# Altium PCB CFD_V1.03.PcbDoc (part 10 of 10)
Units mm, origin at the board's own origin, x right, y up, seen from the top; angles counter-clockwise.
Board outline 96.25 x 362.25 mm, 6 copper layers (Top, L2, L3, L4, L5, Bot), stack 1.496 mm thick; 1353 components, 761 nets, 4147 pads, 1354 vias.
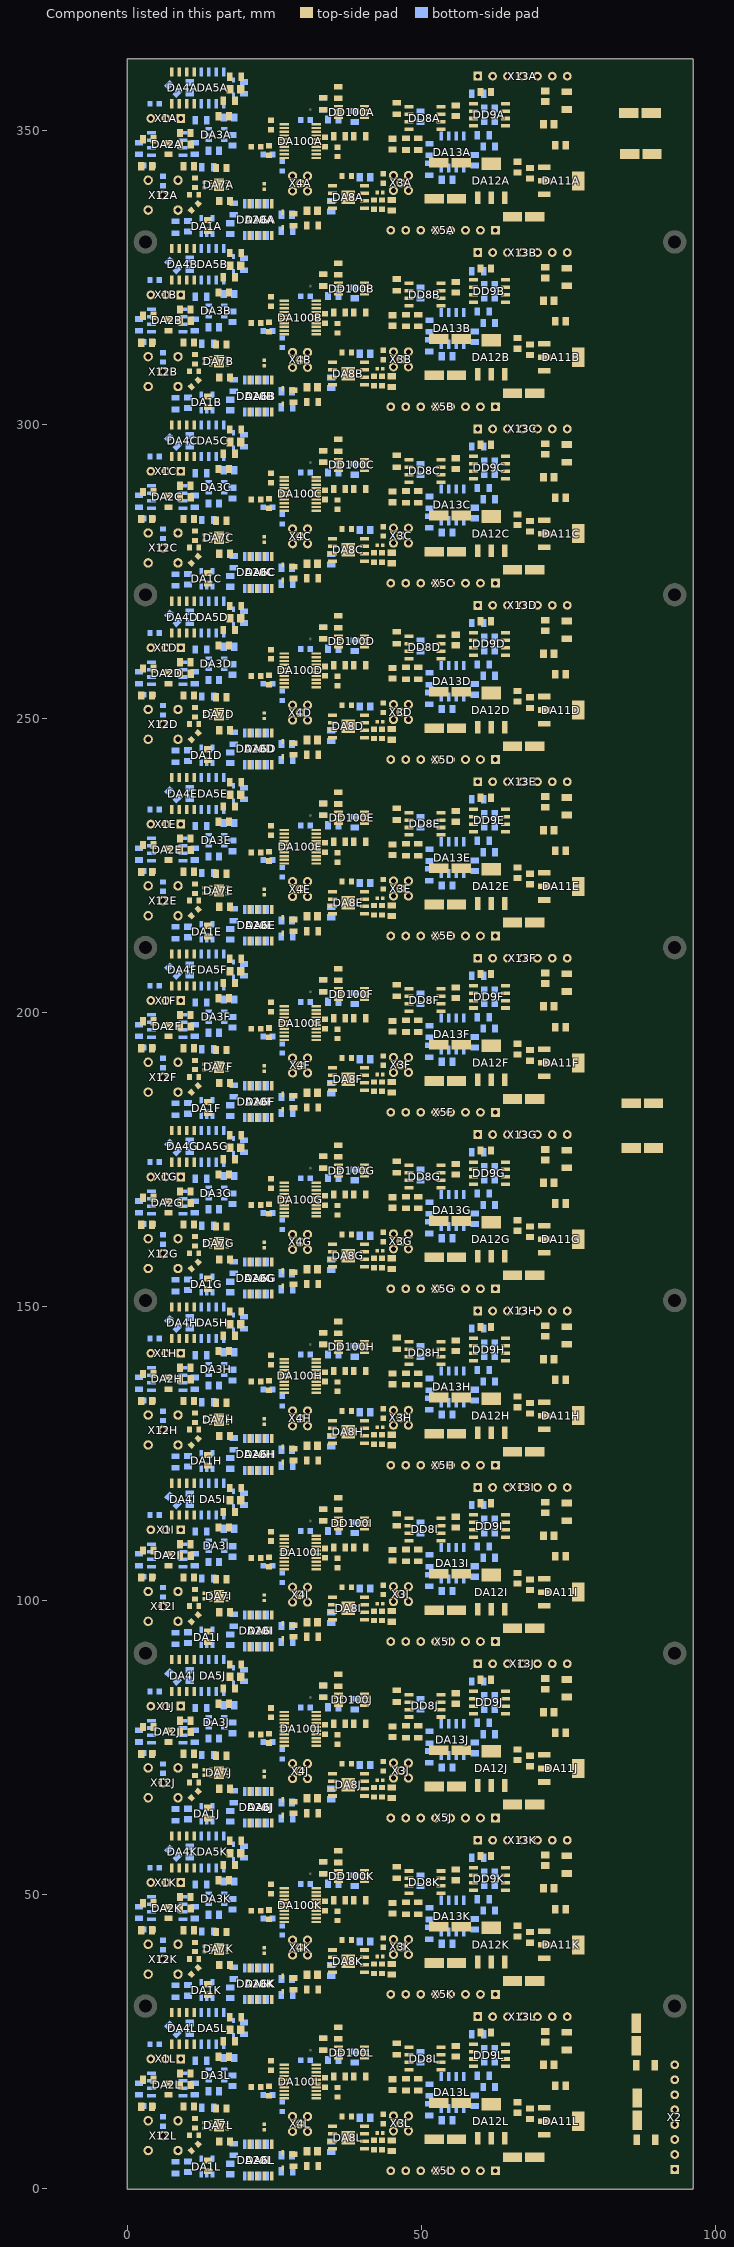
[diagram p14: the components of this part, seen from the top]

## Other copper (continued)
L5:
  pour cut-out: 33.902,309.807 33.902,308.508 35.999,308.508 36.212,308.294 36.212,307.37 36.226,307.37 36.901,306.694 39.789,306.694 40.796,305.688 42.315,305.688 42.567,305.94 42.567,307.06 42.822,307.315 43.773,307.315 43.969,307.511 43.969,308.545 43.62,308.893 43.061,308.893 42.86,309.094 42.86,309.722 42.776,309.807
  pour cut-out: 33.902,279.807 33.902,278.508 35.998,278.508 36.212,278.295 36.212,277.37 36.225,277.37 36.901,276.695 39.789,276.695 40.795,275.688 42.315,275.688 42.567,275.94 42.567,277.06 42.822,277.316 43.773,277.316 43.968,277.512 43.968,278.545 43.62,278.894 43.061,278.894 42.86,279.095 42.86,279.723 42.775,279.808
  pour cut-out: 33.902,249.807 33.902,248.508 35.998,248.508 36.212,248.295 36.212,247.37 36.225,247.37 36.901,246.695 39.789,246.695 40.795,245.688 42.315,245.688 42.567,245.94 42.567,247.06 42.822,247.316 43.773,247.316 43.968,247.512 43.968,248.545 43.62,248.894 43.061,248.894 42.86,249.095 42.86,249.723 42.775,249.808
  pour cut-out: 33.902,219.807 33.902,218.508 35.998,218.508 36.212,218.295 36.212,217.37 36.225,217.37 36.901,216.695 39.789,216.695 40.795,215.688 42.315,215.688 42.567,215.94 42.567,217.06 42.822,217.316 43.773,217.316 43.968,217.512 43.968,218.545 43.62,218.894 43.061,218.894 42.86,219.095 42.86,219.723 42.775,219.808
  pour cut-out: 33.902,189.807 33.902,188.508 35.999,188.508 36.212,188.294 36.212,187.37 36.226,187.37 36.901,186.694 39.789,186.694 40.796,185.688 42.315,185.688 42.567,185.94 42.567,187.06 42.822,187.315 43.773,187.315 43.969,187.511 43.969,188.545 43.62,188.893 43.061,188.893 42.86,189.094 42.86,189.722 42.776,189.807
  pour cut-out: 33.902,159.807 33.902,158.508 35.998,158.508 36.212,158.295 36.212,157.37 36.225,157.37 36.901,156.695 39.789,156.695 40.795,155.688 42.315,155.688 42.567,155.94 42.567,157.06 42.822,157.316 43.773,157.316 43.968,157.512 43.968,158.545 43.62,158.894 43.061,158.894 42.86,159.095 42.86,159.723 42.775,159.808
  pour cut-out: 33.902,129.807 33.902,128.508 35.999,128.508 36.212,128.294 36.212,127.37 36.226,127.37 36.901,126.694 39.789,126.694 40.796,125.688 42.315,125.688 42.567,125.94 42.567,127.06 42.822,127.315 43.773,127.315 43.969,127.511 43.969,128.545 43.62,128.893 43.061,128.893 42.86,129.094 42.86,129.722 42.776,129.807
  pour cut-out: 33.902,99.807 33.902,98.508 35.998,98.508 36.212,98.295 36.212,97.37 36.225,97.37 36.901,96.695 39.789,96.695 40.795,95.688 42.315,95.688 42.567,95.94 42.567,97.06 42.822,97.316 43.773,97.316 43.968,97.512 43.968,98.545 43.62,98.894 43.061,98.894 42.86,99.095 42.86,99.723 42.775,99.808
  pour cut-out: 33.902,69.807 33.902,68.508 35.998,68.508 36.212,68.295 36.212,67.37 36.225,67.37 36.901,66.695 39.789,66.695 40.795,65.688 42.315,65.688 42.567,65.94 42.567,67.06 42.822,67.316 43.773,67.316 43.968,67.512 43.968,68.545 43.62,68.894 43.061,68.894 42.86,69.095 42.86,69.723 42.775,69.808
  pour cut-out: 33.902,39.807 33.902,38.508 35.998,38.508 36.212,38.295 36.212,37.37 36.225,37.37 36.901,36.695 39.789,36.695 40.795,35.688 42.315,35.688 42.567,35.94 42.567,37.06 42.822,37.316 43.773,37.316 43.968,37.512 43.968,38.545 43.62,38.894 43.061,38.894 42.86,39.095 42.86,39.723 42.775,39.808
  pour cut-out: 33.902,9.807 33.902,8.508 35.999,8.508 36.212,8.294 36.212,7.37 36.226,7.37 36.901,6.694 39.789,6.694 40.796,5.688 42.315,5.688 42.567,5.94 42.567,7.06 42.822,7.315 43.773,7.315 43.969,7.511 43.969,8.545 43.62,8.893 43.061,8.893 42.86,9.094 42.86,9.722 42.776,9.807
  pour cut-out: 33.902,339.807 33.902,338.508 35.999,338.508 36.212,338.295 36.212,337.37 36.226,337.37 36.901,336.694 39.789,336.694 40.796,335.688 42.315,335.688 42.567,335.94 42.567,337.06 42.822,337.315 43.773,337.315 43.969,337.511 43.969,338.545 43.62,338.894 43.061,338.894 42.86,339.094 42.86,339.723 42.776,339.807
  pour cut-out: 47.194,12.829 48.182,11.841 48.182,10.356 47.232,9.329 45.672,9.329 44.682,10.318 44.682,11.879 45.632,12.829
  pour cut-out: 47.194,42.829 48.182,41.841 48.182,40.356 47.232,39.329 45.672,39.329 44.682,40.318 44.682,41.879 45.632,42.829
  pour cut-out: 47.194,72.829 48.182,71.841 48.182,70.356 47.232,69.329 45.672,69.329 44.682,70.318 44.682,71.879 45.632,72.829
  pour cut-out: 47.194,102.829 48.182,101.841 48.182,100.356 47.232,99.329 45.672,99.329 44.682,100.318 44.682,101.879 45.632,102.829
  pour cut-out: 47.194,132.829 48.182,131.841 48.182,130.356 47.232,129.329 45.672,129.329 44.682,130.318 44.682,131.879 45.632,132.829
  pour cut-out: 47.194,162.829 48.182,161.841 48.182,160.356 47.232,159.329 45.672,159.329 44.682,160.318 44.682,161.879 45.632,162.829
  pour cut-out: 47.194,192.829 48.182,191.841 48.182,190.356 47.232,189.329 45.672,189.329 44.682,190.318 44.682,191.879 45.632,192.829
  pour cut-out: 47.194,222.829 48.182,221.841 48.182,220.356 47.232,219.329 45.672,219.329 44.682,220.318 44.682,221.879 45.632,222.829
  pour cut-out: 47.194,252.829 48.182,251.841 48.182,250.356 47.232,249.329 45.672,249.329 44.682,250.318 44.682,251.879 45.632,252.829
  pour cut-out: 47.194,282.829 48.182,281.841 48.182,280.356 47.232,279.329 45.672,279.329 44.682,280.318 44.682,281.879 45.632,282.829
  pour cut-out: 47.194,312.829 48.182,311.841 48.182,310.356 47.232,309.329 45.672,309.329 44.682,310.318 44.682,311.879 45.632,312.829
  pour cut-out: 47.31,342.668 48.268,341.71 48.268,340.22 47.348,339.3 47.348,339.168 45.788,339.168 44.831,340.125 44.768,340.125 44.768,341.751 45.685,342.668 45.825,342.668
  pour cut-out: 29.3,12.68 30.042,12.68 31.03,11.692 31.03,10.208 30.08,9.258 30.08,9.18 28.52,9.18 27.53,10.17 27.53,11.73 28.48,12.68 29.3,12.68
  pour cut-out: 17.2,12.3 13.8,12.3 13.8,9.1 17.2,9.1
  pour cut-out: 29.3,42.68 30.042,42.68 31.03,41.692 31.03,40.208 30.08,39.258 30.08,39.18 28.52,39.18 27.53,40.17 27.53,41.73 28.48,42.68 29.3,42.68
  pour cut-out: 17.2,42.3 13.8,42.3 13.8,39.1 17.2,39.1
  pour cut-out: 30.042,72.68 31.03,71.692 31.03,70.208 30.08,69.258 30.08,69.18 28.52,69.18 27.53,70.17 27.53,71.73 28.48,72.68 28.558,72.68
  pour cut-out: 17.2,72.3 13.8,72.3 13.8,69.1 17.2,69.1
  pour cut-out: 30.042,102.68 31.03,101.692 31.03,100.208 30.08,99.258 30.08,99.18 28.52,99.18 27.53,100.17 27.53,101.73 28.48,102.68 28.558,102.68
  pour cut-out: 17.2,102.3 13.8,102.3 13.8,99.1 17.2,99.1
  pour cut-out: 29.3,132.68 30.042,132.68 31.03,131.692 31.03,130.13 30.08,129.18 28.52,129.18 27.53,130.17 27.53,131.73 27.608,131.73 28.558,132.68
  pour cut-out: 17.2,132.3 13.8,132.3 13.8,129.1 17.2,129.1
  pour cut-out: 29.3,162.68 30.042,162.68 31.03,161.692 31.03,160.13 30.08,159.18 28.52,159.18 27.53,160.17 27.53,161.73 27.608,161.73 28.558,162.68
  pour cut-out: 17.2,162.3 13.8,162.3 13.8,159.1 17.2,159.1
  pour cut-out: 29.3,192.68 30.042,192.68 31.03,191.692 31.03,190.208 30.08,189.258 30.08,189.18 28.52,189.18 27.53,190.17 27.53,191.73 28.48,192.68 29.3,192.68
  pour cut-out: 17.2,192.3 13.8,192.3 13.8,189.1 17.2,189.1
  pour cut-out: 30.042,222.68 31.03,221.692 31.03,220.208 30.08,219.258 30.08,219.18 28.52,219.18 27.53,220.17 27.53,221.73 28.48,222.68 28.558,222.68
  pour cut-out: 17.2,222.3 13.8,222.3 13.8,219.1 17.2,219.1
  pour cut-out: 30.042,252.68 31.03,251.692 31.03,250.208 30.08,249.258 30.08,249.18 28.52,249.18 27.53,250.17 27.53,251.73 28.48,252.68 28.558,252.68
  pour cut-out: 17.2,252.3 13.8,252.3 13.8,249.1 17.2,249.1
  pour cut-out: 30.042,282.68 31.03,281.692 31.03,280.13 30.08,279.18 28.52,279.18 27.53,280.17 27.53,281.73 27.608,281.73 28.558,282.68
  pour cut-out: 17.2,282.3 13.8,282.3 13.8,279.1 17.2,279.1
  pour cut-out: 29.3,312.68 30.042,312.68 31.03,311.692 31.03,310.13 30.08,309.18 28.52,309.18 27.53,310.17 27.53,311.73 27.608,311.73 28.558,312.68
  pour cut-out: 17.2,312.3 13.8,312.3 13.8,309.1 17.2,309.1
  pour cut-out: 28.558,342.68 30.042,342.68 31,341.722 31,340.232 30.08,339.312 30.08,339.18 28.52,339.18 27.563,340.137 27.5,340.137 27.5,341.763 28.417,342.68 29.3,342.68
  pour cut-out: 17.2,342.3 13.8,342.3 13.8,339.1 17.2,339.1

## Silkscreen, mask and mechanical layers (free items; w line width, h text height)
Top Overlay:
  text "G" at 61.755,360.436 h1.5
  text "G" at 74.354,360.408 h1.5
  text "P1V3A" at 57.569,360.385 h1.5
  text "P3V3A" at 69.424,360.336 h1.5
  text "G" at 57.117,330.932 h1.5
  text "N5V0" at 43.229,330.873 h1.5
  text "P5V0" at 45.788,329.632 h1.5
  text "WUT AGH 2024" at 88.27,295.383 h4 r90
  text "FIT CFD v1.03" at 81.364,295.226 h4 r90
  text "INR RAS Moscow 2019" at 84.894,295.073 h4 r90
  text "N5V5" at 92.009,19.537 h1.5 r90
  text "N5V5" at 94.9,16.997 h1.5 r90
  text "N5V5" at 91.711,15.024 h1.5 r90
  text "GND" at 94.995,12.31 h1.5 r90
  text "GND" at 92.009,9.918 h1.5 r90
  text "P5V5" at 95.062,6.919 h1.5 r90
  text "P5V5" at 89.044,4.842 h1.5
  text "P5V5" at 89.057,2.599 h1.5
Mechanical 1:
  lines w0.1: 0,0 0,362 96,362 96,0 0,0